# Altium PCB BE200.PcbDoc (part 4 of 6) (continued)
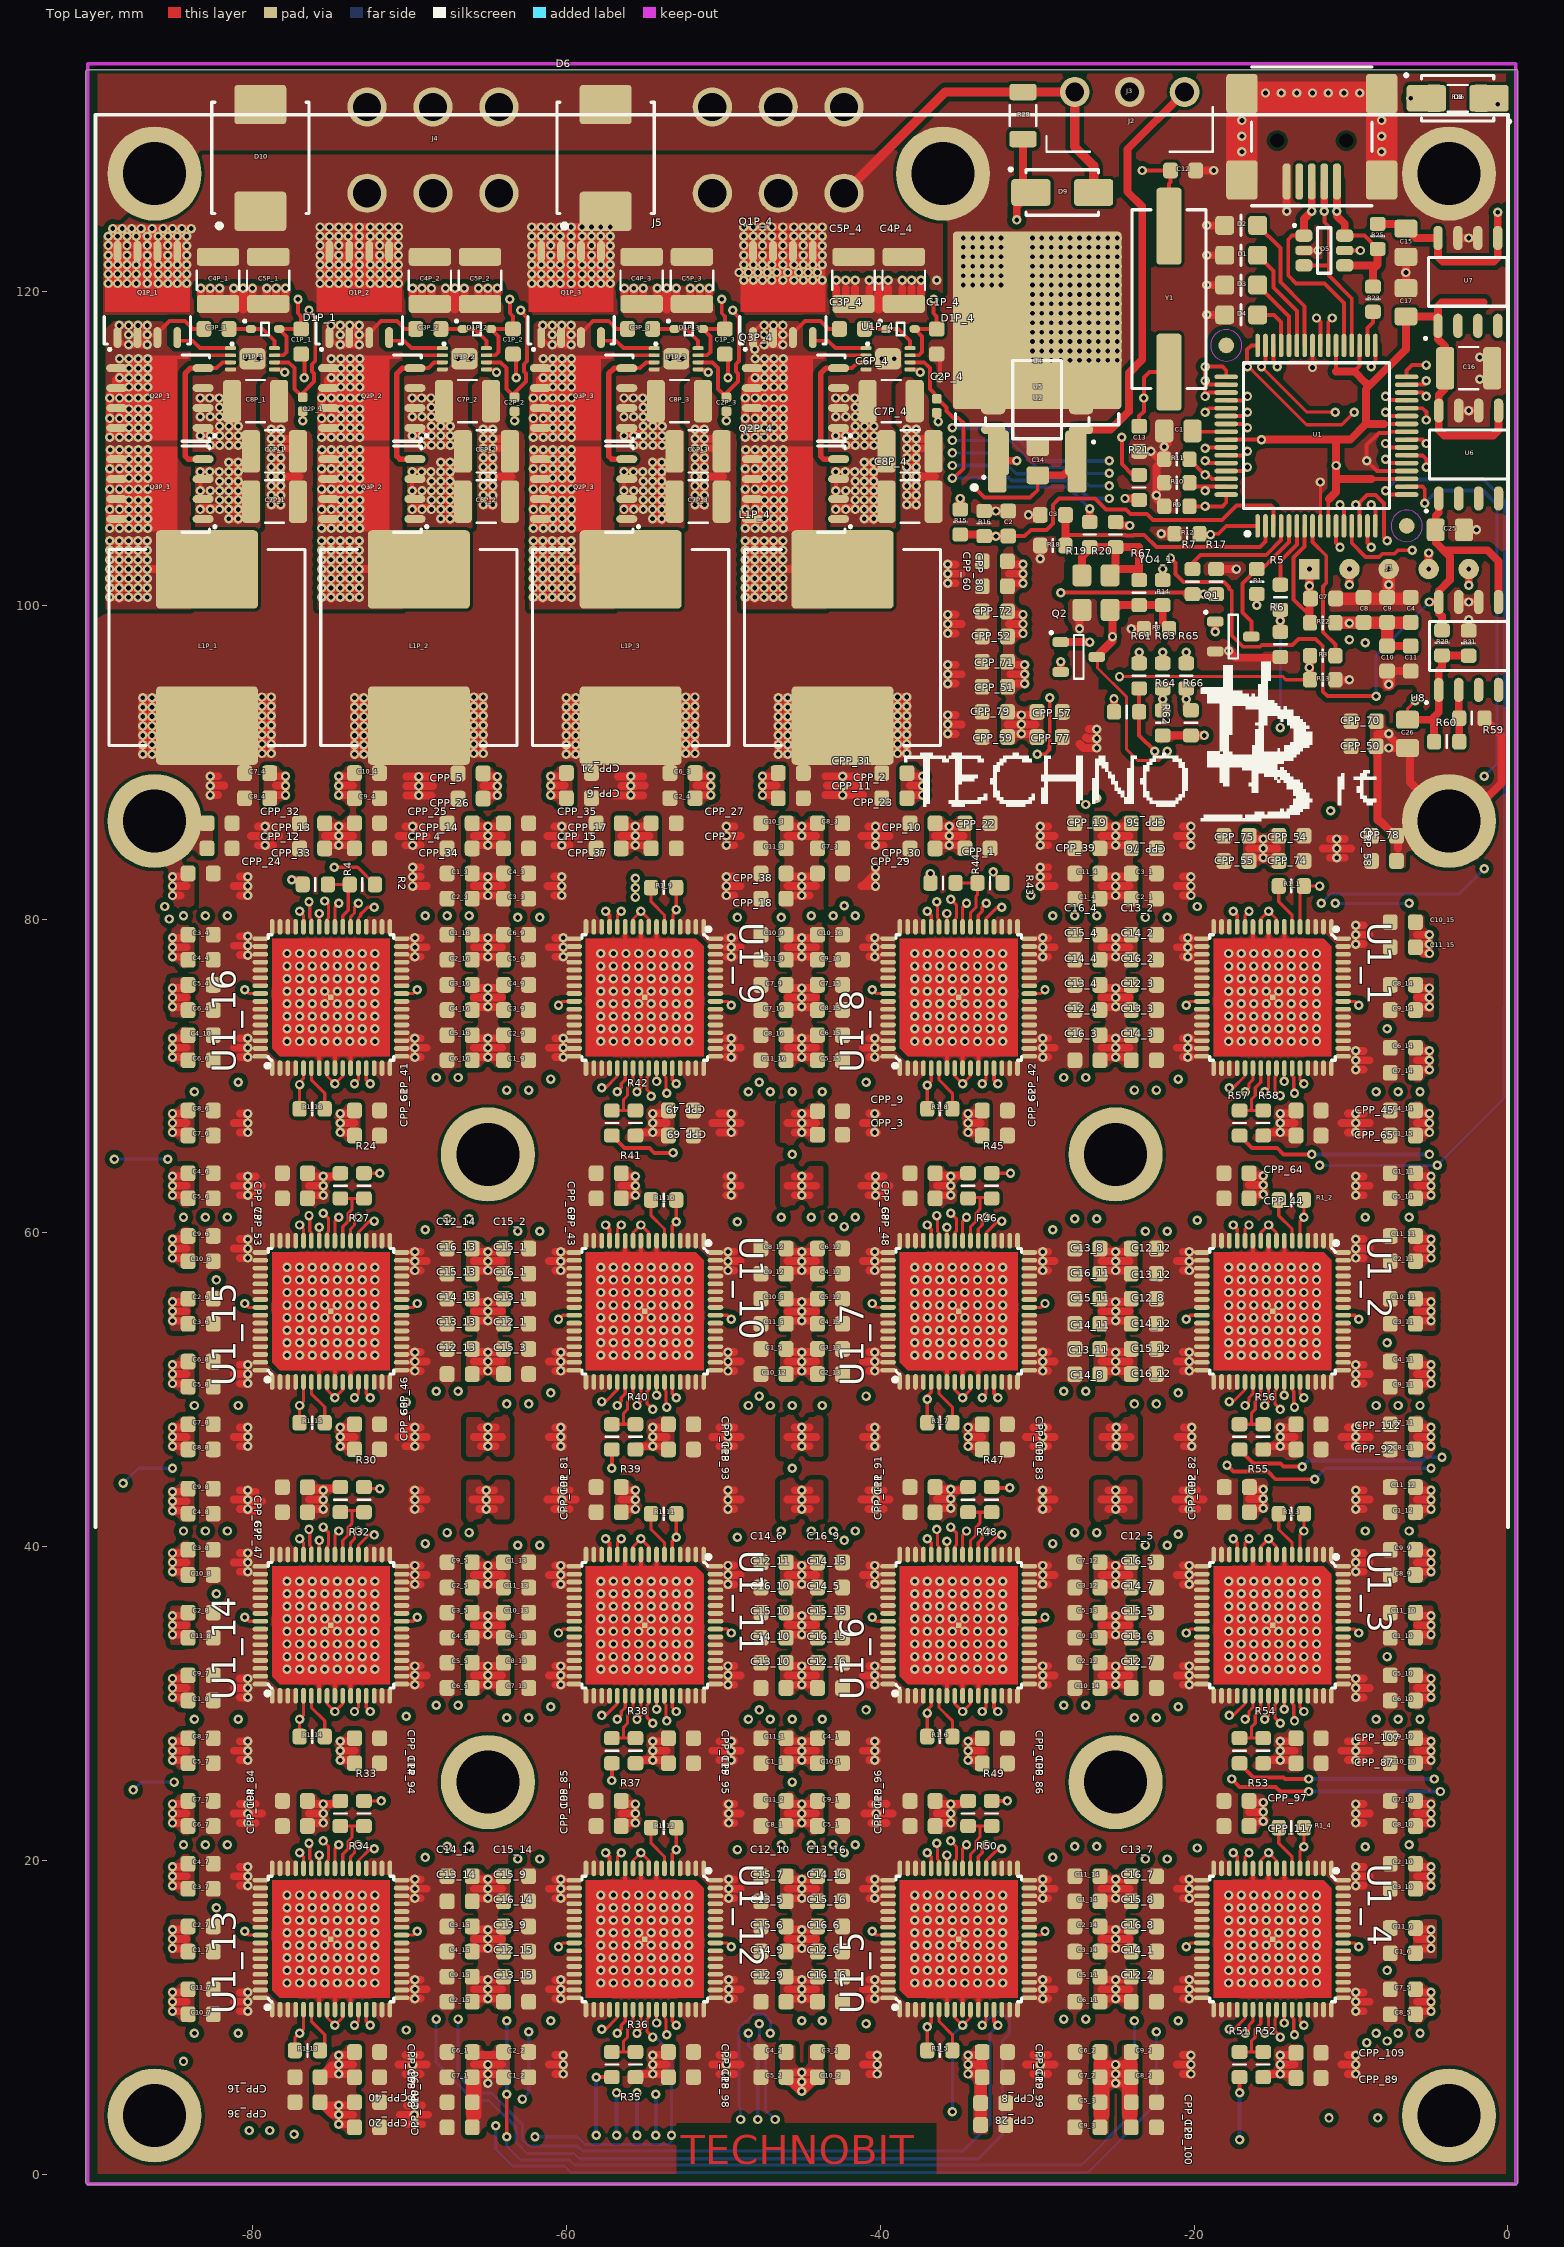
[diagram p0: Top Layer view]
## Nets (pads, with @x,y where several pads share a name; then routed paths per layer and width w, separated by ;. In a path a pad name is that pad's centre, name@x,y a point inside that pad or via, vN(x,y) a via of type N, cw(c..) or ccw(c..) an arc to the next point about the centre after c; other vN are vias at no path point) (continued)
  Top Layer w0.8: -33.6,3.8 -33.6,7 ; C7.2@-10.975,100.5 -10.975,100.4 C4.2@-6.2,100.4 ; C10.2@-7.7,95.8 -7.6,95.7 v1(-7.6,94.95) ; C9.2@-7.7,100.5 -7.6,100.6 v1(-7.6,102.3)
  Top Layer w1: C7_1.1@-66,6.2 -65.9,6.1 -65.9,3.8 ; -25.9,3.8 -25.9,7 ; -24.1,3.8 -24.1,7
  Top Layer w2: J2.6@-16.95,127.14 -16.95,132.375 -8.05,132.375 J2.9@-8.05,127.14
  other v1: -65,5.8 -45,5.9 -54.5,6.4 -14.5,6.4 -45,6.5 -65,11.2 -45,11.2 -25,11.2 -77.8,12.2 -77,12.2 -76.2,12.2 -75.4,12.2 -74.6,12.2 -73.8,12.2 -73,12.2 -72.2,12.2 -57.8,12.2 -57,12.2 -56.2,12.2 -55.4,12.2 -54.6,12.2 -53.8,12.2 -53,12.2 -52.2,12.2 -37.8,12.2 -37,12.2 -36.2,12.2 -35.4,12.2 -34.6,12.2 -33.8,12.2 -33,12.2 -32.2,12.2 -17.8,12.2 -17,12.2 -16.2,12.2 -15.4,12.2 -14.6,12.2 -13.8,12.2 -13,12.2 -12.2,12.2 -65,12.4 -45,12.4 -25,12.4 -77.8,13 -77,13 -76.2,13 -75.4,13 -74.6,13 -73.8,13 -73,13 -72.2,13 -57.8,13 -57,13 -56.2,13 -55.4,13 -54.6,13 -53.8,13 -53,13 -52.2,13 -37.8,13 -37,13 -36.2,13 -35.4,13 -34.6,13 -33.8,13 -33,13 -32.2,13 -17.8,13 -17,13 -16.2,13 -15.4,13 -14.6,13 -13.8,13 -13,13 -12.2,13 -77.8,13.8 -77,13.8 -76.2,13.8 -75.4,13.8 -74.6,13.8 -73.8,13.8 -73,13.8 -72.2,13.8 -57.8,13.8 -57,13.8 -56.2,13.8 -55.4,13.8 -54.6,13.8 -53.8,13.8 -53,13.8 -52.2,13.8 -37.8,13.8 -37,13.8 -36.2,13.8 -35.4,13.8 -34.6,13.8 -33.8,13.8 -33,13.8 -32.2,13.8 -17.8,13.8 -17,13.8 -16.2,13.8 -15.4,13.8 -14.6,13.8 -13.8,13.8 -13,13.8 -12.2,13.8 -65,14.4 -45,14.4 -25,14.4 -77.8,14.6 -77,14.6 -76.2,14.6 -75.4,14.6 -74.6,14.6 -73.8,14.6 -73,14.6 -72.2,14.6 -57.8,14.6 -57,14.6 -56.2,14.6 -55.4,14.6 -54.6,14.6 -53.8,14.6 -53,14.6 -52.2,14.6 -37.8,14.6 -37,14.6 -36.2,14.6 -35.4,14.6 -34.6,14.6 -33.8,14.6 -33,14.6 -32.2,14.6 -17.8,14.6 -17,14.6 -16.2,14.6 -15.4,14.6 -14.6,14.6 -13.8,14.6 -13,14.6 -12.2,14.6 -77.8,15.4 -77,15.4 -76.2,15.4 -75.4,15.4 -74.6,15.4 -73.8,15.4 -73,15.4 -72.2,15.4 -57.8,15.4 -57,15.4 -56.2,15.4 -55.4,15.4 -54.6,15.4 -53.8,15.4 -53,15.4 -52.2,15.4 -37.8,15.4 -37,15.4 -36.2,15.4 -35.4,15.4 -34.6,15.4 -33.8,15.4 -33,15.4 -32.2,15.4 -17.8,15.4 -17,15.4 -16.2,15.4 -15.4,15.4 -14.6,15.4 -13.8,15.4 -13,15.4 -12.2,15.4 -65,15.6 -45,15.6 -25,15.6 -77.8,16.2 -77,16.2 -76.2,16.2 -75.4,16.2 -74.6,16.2 -73.8,16.2 -73,16.2 -72.2,16.2 -57.8,16.2 -57,16.2 -56.2,16.2 -55.4,16.2 -54.6,16.2 -53.8,16.2 -53,16.2 -52.2,16.2 -37.8,16.2 -37,16.2 -36.2,16.2 -35.4,16.2 -34.6,16.2 -33.8,16.2 -33,16.2 -32.2,16.2 -17.8,16.2 -17,16.2 -16.2,16.2 -15.4,16.2 -14.6,16.2 -13.8,16.2 -13,16.2 -12.2,16.2 -77.8,17 -77,17 -76.2,17 -75.4,17 -74.6,17 -73.8,17 -73,17 -72.2,17 -57.8,17 -57,17 -56.2,17 -55.4,17 -54.6,17 -53.8,17 -53,17 -52.2,17 -37.8,17 -37,17 -36.2,17 -35.4,17 -34.6,17 -33.8,17 -33,17 -32.2,17 -17.8,17 -17,17 -16.2,17 -15.4,17 -14.6,17 -13.8,17 -13,17 -12.2,17 -65,17.6 -45,17.6 -25,17.6 -77.8,17.8 -77,17.8 -76.2,17.8 -75.4,17.8 -74.6,17.8 -73.8,17.8 -73,17.8 -72.2,17.8 -57.8,17.8 -57,17.8 -56.2,17.8 -55.4,17.8 -54.6,17.8 -53.8,17.8 -53,17.8 -52.2,17.8 -37.8,17.8 -37,17.8 -36.2,17.8 -35.4,17.8 -34.6,17.8 -33.8,17.8 -33,17.8 -32.2,17.8 -17.8,17.8 -17,17.8 -16.2,17.8 -15.4,17.8 -14.6,17.8 -13.8,17.8 -13,17.8 -12.2,17.8 -65,18.8 -45,18.8 -25,18.8 -45,22.4 -75.5,23.6 -45,23.6 -35.5,23.6 -45,26.4 -14.5,26.4 -45,27.6 -65,31.2 -45,31.2 -25,31.2 -77.8,32.2 -77,32.2 -76.2,32.2 -75.4,32.2 -74.6,32.2 -73.8,32.2 -73,32.2 -72.2,32.2 -57.8,32.2 -57,32.2 -56.2,32.2 -55.4,32.2 -54.6,32.2 -53.8,32.2 -53,32.2 -52.2,32.2 -37.8,32.2 -37,32.2 -36.2,32.2 -35.4,32.2 -34.6,32.2 -33.8,32.2 -33,32.2 -32.2,32.2 -17.8,32.2 -17,32.2 -16.2,32.2 -15.4,32.2 -14.6,32.2 -13.8,32.2 -13,32.2 -12.2,32.2 -65,32.4 -45,32.4 -25,32.4 -77.8,33 -77,33 -76.2,33 -75.4,33 -74.6,33 -73.8,33 -73,33 -72.2,33 -57.8,33 -57,33 -56.2,33 -55.4,33 -54.6,33 -53.8,33 -53,33 -52.2,33 -37.8,33 -37,33 -36.2,33 -35.4,33 -34.6,33 -33.8,33 -33,33 -32.2,33 -17.8,33 -17,33 -16.2,33 -15.4,33 -14.6,33 -13.8,33 -13,33 -12.2,33 -77.8,33.8 -77,33.8 -76.2,33.8 -75.4,33.8 -74.6,33.8 -73.8,33.8 -73,33.8 -72.2,33.8 -57.8,33.8 -57,33.8 -56.2,33.8 -55.4,33.8 -54.6,33.8 -53.8,33.8 -53,33.8 -52.2,33.8 -37.8,33.8 -37,33.8 -36.2,33.8 -35.4,33.8 -34.6,33.8 -33.8,33.8 -33,33.8 -32.2,33.8 -17.8,33.8 -17,33.8 -16.2,33.8 -15.4,33.8 -14.6,33.8 -13.8,33.8 -13,33.8 -12.2,33.8 -65,34.4 -45,34.4 -25,34.4 -77.8,34.6 -77,34.6 -76.2,34.6 -75.4,34.6 -74.6,34.6 -73.8,34.6 -73,34.6 -72.2,34.6 -57.8,34.6 -57,34.6 -56.2,34.6 -55.4,34.6 -54.6,34.6 -53.8,34.6 -53,34.6 -52.2,34.6 -37.8,34.6 -37,34.6 -36.2,34.6 -35.4,34.6 -34.6,34.6 -33.8,34.6 -33,34.6 -32.2,34.6 -17.8,34.6 -17,34.6 -16.2,34.6 -15.4,34.6 -14.6,34.6 -13.8,34.6 -13,34.6 -12.2,34.6 -77.8,35.4 -77,35.4 -76.2,35.4 -75.4,35.4 -74.6,35.4 -73.8,35.4 -73,35.4 -72.2,35.4 -57.8,35.4 -57,35.4 -56.2,35.4 -55.4,35.4 -54.6,35.4 -53.8,35.4 -53,35.4 -52.2,35.4 -37.8,35.4 -37,35.4 -36.2,35.4 -35.4,35.4 -34.6,35.4 -33.8,35.4 -33,35.4 -32.2,35.4 -17.8,35.4 -17,35.4 -16.2,35.4 -15.4,35.4 -14.6,35.4 -13.8,35.4 -13,35.4 -12.2,35.4 -65,35.6 -45,35.6 -25,35.6 -77.8,36.2 -77,36.2 -76.2,36.2 -75.4,36.2 -74.6,36.2 -73.8,36.2 -73,36.2 -72.2,36.2 -57.8,36.2 -57,36.2 -56.2,36.2 -55.4,36.2 -54.6,36.2 -53.8,36.2 -53,36.2 -52.2,36.2 -37.8,36.2 -37,36.2 -36.2,36.2 -35.4,36.2 -34.6,36.2 -33.8,36.2 -33,36.2 -32.2,36.2 -17.8,36.2 -17,36.2 -16.2,36.2 -15.4,36.2 -14.6,36.2 -13.8,36.2 -13,36.2 -12.2,36.2 -77.8,37 -77,37 -76.2,37 -75.4,37 -74.6,37 -73.8,37 -73,37 -72.2,37 -57.8,37 -57,37 -56.2,37 -55.4,37 -54.6,37 -53.8,37 -53,37 -52.2,37 -37.8,37 -37,37 -36.2,37 -35.4,37 -34.6,37 -33.8,37 -33,37 -32.2,37 -17.8,37 -17,37 -16.2,37 -15.4,37 -14.6,37 -13.8,37 -13,37 -12.2,37 -65,37.6 -45,37.6 -25,37.6 -77.8,37.8 -77,37.8 -76.2,37.8 -75.4,37.8 -74.6,37.8 -73.8,37.8 -73,37.8 -72.2,37.8 -57.8,37.8 -57,37.8 -56.2,37.8 -55.4,37.8 -54.6,37.8 -53.8,37.8 -53,37.8 -52.2,37.8 -37.8,37.8 -37,37.8 -36.2,37.8 -35.4,37.8 -34.6,37.8 -33.8,37.8 -33,37.8 -32.2,37.8 -17.8,37.8 -17,37.8 -16.2,37.8 -15.4,37.8 -14.6,37.8 -13.8,37.8 -13,37.8 -12.2,37.8 -65,38.8 -45,38.8 -25,38.8 -54.5,46.4 -14.5,46.4 -65,51.2 -45,51.2 -25,51.2 -77.8,52.2 -77,52.2 -76.2,52.2 -75.4,52.2 -74.6,52.2 -73.8,52.2 -73,52.2 -72.2,52.2 -57.8,52.2 -57,52.2 -56.2,52.2 -55.4,52.2 -54.6,52.2 -53.8,52.2 -53,52.2 -52.2,52.2 -37.8,52.2 -37,52.2 -36.2,52.2 -35.4,52.2 -34.6,52.2 -33.8,52.2 -33,52.2 -32.2,52.2 -17.8,52.2 -17,52.2 -16.2,52.2 -15.4,52.2 -14.6,52.2 -13.8,52.2 -13,52.2 -12.2,52.2 -65,52.4 -45,52.4 -25,52.4 -77.8,53 -77,53 -76.2,53 -75.4,53 -74.6,53 -73.8,53 -73,53 -72.2,53 -57.8,53 -57,53 -56.2,53 -55.4,53 -54.6,53 -53.8,53 -53,53 -52.2,53 -37.8,53 -37,53 -36.2,53 -35.4,53 -34.6,53 -33.8,53 -33,53 -32.2,53 -17.8,53 -17,53 -16.2,53 -15.4,53 -14.6,53 -13.8,53 -13,53 -12.2,53 -77.8,53.8 -77,53.8 -76.2,53.8 -75.4,53.8 -74.6,53.8 -73.8,53.8 -73,53.8 -72.2,53.8 -57.8,53.8 -57,53.8 -56.2,53.8 -55.4,53.8 -54.6,53.8 -53.8,53.8 -53,53.8 -52.2,53.8 -37.8,53.8 -37,53.8 -36.2,53.8 -35.4,53.8 -34.6,53.8 -33.8,53.8 -33,53.8 -32.2,53.8 -17.8,53.8 -17,53.8 -16.2,53.8 -15.4,53.8 -14.6,53.8 -13.8,53.8 -13,53.8 -12.2,53.8 -65,54.4 -45,54.4 -25,54.4 -77.8,54.6 -77,54.6 -76.2,54.6 -75.4,54.6 -74.6,54.6 -73.8,54.6 -73,54.6 -72.2,54.6 -57.8,54.6 -57,54.6 -56.2,54.6 -55.4,54.6 -54.6,54.6 -53.8,54.6 -53,54.6 -52.2,54.6 -37.8,54.6 -37,54.6 -36.2,54.6 -35.4,54.6 -34.6,54.6 -33.8,54.6 -33,54.6 -32.2,54.6 -17.8,54.6 -17,54.6 -16.2,54.6 -15.4,54.6 -14.6,54.6 -13.8,54.6 -13,54.6 -12.2,54.6 -77.8,55.4 -77,55.4 -76.2,55.4 -75.4,55.4 -74.6,55.4 -73.8,55.4 -73,55.4 -72.2,55.4 -57.8,55.4 -57,55.4 -56.2,55.4 -55.4,55.4 -54.6,55.4 -53.8,55.4 -53,55.4 -52.2,55.4 -37.8,55.4 -37,55.4 -36.2,55.4 -35.4,55.4 -34.6,55.4 -33.8,55.4 -33,55.4 -32.2,55.4 -17.8,55.4 -17,55.4 -16.2,55.4 -15.4,55.4 -14.6,55.4 -13.8,55.4 -13,55.4 -12.2,55.4 -65,55.6 -45,55.6 -25,55.6 -77.8,56.2 -77,56.2 -76.2,56.2 -75.4,56.2 -74.6,56.2 -73.8,56.2 -73,56.2 -72.2,56.2 -57.8,56.2 -57,56.2 -56.2,56.2 -55.4,56.2 -54.6,56.2 -53.8,56.2 -53,56.2 -52.2,56.2 -37.8,56.2 -37,56.2 -36.2,56.2 -35.4,56.2 -34.6,56.2 -33.8,56.2 -33,56.2 -32.2,56.2 -17.8,56.2 -17,56.2 -16.2,56.2 -15.4,56.2 -14.6,56.2 -13.8,56.2 -13,56.2 -12.2,56.2 -77.8,57 -77,57 -76.2,57 -75.4,57 -74.6,57 -73.8,57 -73,57 -72.2,57 -57.8,57 -57,57 -56.2,57 -55.4,57 -54.6,57 -53.8,57 -53,57 -52.2,57 -37.8,57 -37,57 -36.2,57 -35.4,57 -34.6,57 -33.8,57 -33,57 -32.2,57 -17.8,57 -17,57 -16.2,57 -15.4,57 -14.6,57 -13.8,57 -13,57 -12.2,57 -65,57.6 -45,57.6 -25,57.6 -77.8,57.8 -77,57.8 -76.2,57.8 -75.4,57.8 -74.6,57.8 -73.8,57.8 -73,57.8 -72.2,57.8 -57.8,57.8 -57,57.8 -56.2,57.8 -55.4,57.8 -54.6,57.8 -53.8,57.8 -53,57.8 -52.2,57.8 -37.8,57.8 -37,57.8 -36.2,57.8 -35.4,57.8 -34.6,57.8 -33.8,57.8 -33,57.8 -32.2,57.8 -17.8,57.8 -17,57.8 -16.2,57.8 -15.4,57.8 -14.6,57.8 -13.8,57.8 -13,57.8 -12.2,57.8 -65,58.8 -45,58.8 -25,58.8 -54.5,66.4 -45,66.4 -34.4,66.4 -14.5,66.4 -34.4,67 -45,67.6 -34.4,67.6 -65,71.2 -45,71.2 -25,71.2 -77.8,72.2 -77,72.2 -76.2,72.2 -75.4,72.2 -74.6,72.2 -73.8,72.2 -73,72.2 -72.2,72.2 -57.8,72.2 -57,72.2 -56.2,72.2 -55.4,72.2 -54.6,72.2 -53.8,72.2 -53,72.2 -52.2,72.2 -37.8,72.2 -37,72.2 -36.2,72.2 -35.4,72.2 -34.6,72.2 -33.8,72.2 -33,72.2 -32.2,72.2 -17.8,72.2 -17,72.2 -16.2,72.2 -15.4,72.2 -14.6,72.2 -13.8,72.2 -13,72.2 -12.2,72.2 -65,72.4 -45,72.4 -25,72.4 -77.8,73 -77,73 -76.2,73 -75.4,73 -74.6,73 -73.8,73 -73,73 -72.2,73 -57.8,73 -57,73 -56.2,73 -55.4,73 -54.6,73 -53.8,73 -53,73 -52.2,73 -37.8,73 -37,73 -36.2,73 -35.4,73 -34.6,73 -33.8,73 -33,73 -32.2,73 -17.8,73 -17,73 -16.2,73 -15.4,73 -14.6,73 -13.8,73 -13,73 -12.2,73 -77.8,73.8 -77,73.8 -76.2,73.8 -75.4,73.8 -74.6,73.8 -73.8,73.8 -73,73.8 -72.2,73.8 -57.8,73.8 -57,73.8 -56.2,73.8 -55.4,73.8 -54.6,73.8 -53.8,73.8 -53,73.8 -52.2,73.8 -37.8,73.8 -37,73.8 -36.2,73.8 -35.4,73.8 -34.6,73.8 -33.8,73.8 -33,73.8 -32.2,73.8 -17.8,73.8 -17,73.8 -16.2,73.8 -15.4,73.8 -14.6,73.8 -13.8,73.8 -13,73.8 -12.2,73.8 -65,74.4 -45,74.4 -25,74.4 -77.8,74.6 -77,74.6 -76.2,74.6 -75.4,74.6 -74.6,74.6 -73.8,74.6 -73,74.6 -72.2,74.6 -57.8,74.6 -57,74.6 -56.2,74.6 -55.4,74.6 -54.6,74.6 -53.8,74.6 -53,74.6 -52.2,74.6 -37.8,74.6 -37,74.6 -36.2,74.6 -35.4,74.6 -34.6,74.6 -33.8,74.6 -33,74.6 -32.2,74.6 -17.8,74.6 -17,74.6 -16.2,74.6 -15.4,74.6 -14.6,74.6 -13.8,74.6 -13,74.6 -12.2,74.6 -77.8,75.4 -77,75.4 -76.2,75.4 -75.4,75.4 -74.6,75.4 -73.8,75.4 -73,75.4 -72.2,75.4 -57.8,75.4 -57,75.4 -56.2,75.4 -55.4,75.4 -54.6,75.4 -53.8,75.4 -53,75.4 -52.2,75.4 -37.8,75.4 -37,75.4 -36.2,75.4 -35.4,75.4 -34.6,75.4 -33.8,75.4 -33,75.4 -32.2,75.4 -17.8,75.4 -17,75.4 -16.2,75.4 -15.4,75.4 -14.6,75.4 -13.8,75.4 -13,75.4 -12.2,75.4 -65,75.6 -45,75.6 -25,75.6 -77.8,76.2 -77,76.2 -76.2,76.2 -75.4,76.2 -74.6,76.2 -73.8,76.2 -73,76.2 -72.2,76.2 -57.8,76.2 -57,76.2 -56.2,76.2 -55.4,76.2 -54.6,76.2 -53.8,76.2 -53,76.2 -52.2,76.2 -37.8,76.2 -37,76.2 -36.2,76.2 -35.4,76.2 -34.6,76.2 -33.8,76.2 -33,76.2 -32.2,76.2 -17.8,76.2 -17,76.2 -16.2,76.2 -15.4,76.2 -14.6,76.2 -13.8,76.2 -13,76.2 -12.2,76.2 -77.8,77 -77,77 -76.2,77 -75.4,77 -74.6,77 -73.8,77 -73,77 -72.2,77 -57.8,77 -57,77 -56.2,77 -55.4,77 -54.6,77 -53.8,77 -53,77 -52.2,77 -37.8,77 -37,77 -36.2,77 -35.4,77 -34.6,77 -33.8,77 -33,77 -32.2,77 -17.8,77 -17,77 -16.2,77 -15.4,77 -14.6,77 -13.8,77 -13,77 -12.2,77 -65,77.6 -45,77.6 -25,77.6 -77.8,77.8 -77,77.8 -76.2,77.8 -75.4,77.8 -74.6,77.8 -73.8,77.8 -73,77.8 -72.2,77.8 -57.8,77.8 -57,77.8 -56.2,77.8 -55.4,77.8 -54.6,77.8 -53.8,77.8 -53,77.8 -52.2,77.8 -37.8,77.8 -37,77.8 -36.2,77.8 -35.4,77.8 -34.6,77.8 -33.8,77.8 -33,77.8 -32.2,77.8 -17.8,77.8 -17,77.8 -16.2,77.8 -15.4,77.8 -14.6,77.8 -13.8,77.8 -13,77.8 -12.2,77.8 -65,78.8 -45,78.8 -25,78.8 -55.6,81.4 -64.999,81.5 -45,81.5 -25,81.5 -55.6,82 -77.5,82.5 -55.6,82.6 -64.999,82.7 -45,82.7 -25,82.7 -36.8,82.9 -15.6,83.9 -74.501,84.7 -65,84.7 -55.6,84.7 -25,84.7 -15.6,85.1 -74.501,85.9 -65,85.9 -55.6,85.9 -45,85.9 -35.6,85.9 -25,85.9 -37.3,87.9 -37.3,88.5 -37.3,89.1 -7.6,90.9 -31,91.8 -7.6,91.8 -31,93 -7.6,101.3 -83.325,106.1 -82.7,106.1 -82.1,106.1 -69.825,106.1 -69.2,106.1 -68.6,106.1 -56.325,106.1 -55.7,106.1 -55.1,106.1 -42.825,106.1 -42.2,106.1 -41.6,106.1 -82.1,106.7 -68.6,106.7 -55.1,106.7 -41.6,106.7 -22.4,107 -82.7,107.3 -82.1,107.3 -80.913,107.3 -69.2,107.3 -68.6,107.3 -67.413,107.3 -55.7,107.3 -55.1,107.3 -53.913,107.3 -42.2,107.3 -41.6,107.3 -40.413,107.3 -82.1,107.9 -68.6,107.9 -55.1,107.9 -41.6,107.9 -83.325,108.5 -82.725,108.5 -82.125,108.5 -69.825,108.5 -69.225,108.5 -68.625,108.5 -56.325,108.5 -55.725,108.5 -55.125,108.5 -42.825,108.5 -42.225,108.5 -41.625,108.5 -83.325,110.8 -82.7,110.8 -82.1,110.8 -69.825,110.8 -69.2,110.8 -68.6,110.8 -56.325,110.8 -55.7,110.8 -55.1,110.8 -42.825,110.8 -42.2,110.8 -41.6,110.8 -82.1,111.4 -68.6,111.4 -55.1,111.4 -41.6,111.4 -82.7,112 -82.1,112 -69.2,112 -68.6,112 -55.7,112 -55.1,112 -42.2,112 -41.6,112 -2.5,112.4 -82.1,112.6 -68.6,112.6 -55.1,112.6 -41.6,112.6 -83.325,113.2 -82.725,113.2 -82.125,113.2 -69.825,113.2 -69.225,113.2 -68.625,113.2 -56.325,113.2 -55.725,113.2 -55.125,113.2 -42.825,113.2 -42.225,113.2 -41.625,113.2 -29.7,115.6 -29.1,115.6 -28.5,115.6 -27.9,115.6 -26.7,115.6 -26.1,115.6 -25.5,115.6 -24.9,115.6 -29.7,116.2 -29.1,116.2 -28.5,116.2 -27.9,116.2 -26.7,116.2 -26.1,116.2 -25.5,116.2 -24.9,116.2 -29.7,116.8 -29.1,116.8 -28.5,116.8 -27.9,116.8 -26.7,116.8 -26.1,116.8 -25.5,116.8 -24.9,116.8 -29.7,117.4 -29.1,117.4 -28.5,117.4 -27.9,117.4 -26.7,117.4 -26.1,117.4 -25.5,117.4 -24.9,117.4 -29.7,118 -29.1,118 -28.5,118 -27.9,118 -26.7,118 -26.1,118 -25.5,118 -24.9,118 -29.7,118.6 -29.1,118.6 -28.5,118.6 -27.9,118.6 -26.7,118.6 -26.1,118.6 -25.5,118.6 -24.9,118.6 -29.1,119.2 -28.5,119.2 -27.9,119.2 -26.1,119.2 -25.5,119.2 -24.9,119.2 -29.7,119.8 -29.1,119.8 -28.5,119.8 -27.9,119.8 -26.7,119.8 -26.1,119.8 -25.5,119.8 -24.9,119.8 -34.1,120.4 -33.5,120.4 -32.9,120.4 -32.3,120.4 -29.7,120.4 -29.1,120.4 -28.5,120.4 -27.9,120.4 -26.7,120.4 -26.1,120.4 -25.5,120.4 -24.9,120.4 -42.8,120.7 -42.2,120.7 -41.6,120.7 -40.7,120.7 -40.1,120.7 -39.5,120.7 -38.6,120.7 -38,120.7 -37.4,120.7 -34.1,121 -33.5,121 -32.9,121 -32.3,121 -29.7,121 -29.1,121 -28.5,121 -27.9,121 -26.7,121 -26.1,121 -25.5,121 -24.9,121 -34.1,121.6 -33.5,121.6 -32.9,121.6 -32.3,121.6 -29.7,121.6 -29.1,121.6 -28.5,121.6 -27.9,121.6 -26.7,121.6 -26.1,121.6 -25.5,121.6 -24.9,121.6 -34.1,122.2 -33.5,122.2 -32.9,122.2 -32.3,122.2 -29.7,122.2 -29.1,122.2 -28.5,122.2 -27.9,122.2 -26.7,122.2 -26.1,122.2 -25.5,122.2 -24.9,122.2 -34.1,122.8 -33.5,122.8 -32.9,122.8 -32.3,122.8 -29.7,122.8 -29.1,122.8 -28.5,122.8 -27.9,122.8 -26.7,122.8 -26.1,122.8 -25.5,122.8 -24.9,122.8 -33.5,123.4 -32.9,123.4 -32.3,123.4 -29.1,123.4 -28.5,123.4 -27.9,123.4 -26.1,123.4 -25.5,123.4 -24.9,123.4 -14.1,125.1 -16.95,128.89 -8.05,128.89 -16.95,129.89 -8.05,129.89 -16.95,130.89 -8.05,130.89 -15.45,132.64 -14.45,132.64 -13.45,132.64 -12.45,132.64 -11.45,132.64 -10.45,132.64 -9.45,132.64
  other v2: -80.4,115.7 -79.6,115.7 -66.9,115.7 -66.1,115.7 -53.4,115.7 -52.6,115.7 -39.9,115.7 -39.1,115.7
GREEN: D2.2 U1.42 | length 8.9
  Top Layer w0.25: D2.2@-15.95,124.2 -14.5,122.75 -14.5,120.6 -12.95,119.05 U1.42@-12.95,116.55
HARD_ONE: R63.1 R64.2 U1_1.44 U1_2.44 U1_3.44 U1_4.44 U1_5.44 U1_6.44 U1_7.44 U1_8.44 U1_9.44 U1_10.44 U1_11.44 U1_12.44 U1_13.44 U1_14.44 U1_15.44 U1_16.44 | length 516.8
  Top Layer w0.2: v1(-77,20.5) -76.75,20.25 U1_13.44@-76.75,19.5 ; v1(-77,40.5) -76.75,40.25 U1_14.44@-76.75,39.5 ; v1(-77,60.5) -76.75,60.25 U1_15.44@-76.75,59.5 ; v1(-77,80.5) -76.75,80.25 U1_16.44@-76.75,79.5 ; U1_12.44@-53.25,10.5 -53.25,9.75 v1(-53,9.5) ; U1_11.44@-53.25,30.5 -53.25,29.75 v1(-53,29.5) ; U1_10.44@-53.25,50.5 -53.25,49.75 v1(-53,49.5) ; U1_9.44@-53.25,70.5 -53.25,69.75 v1(-53,69.5) ; v1(-37,20.5) -36.75,20.25 U1_5.44@-36.75,19.5 ; v1(-37,40.5) -36.75,40.25 U1_6.44@-36.75,39.5 ; v1(-37,60.5) -36.75,60.25 U1_7.44@-36.75,59.5 ; v1(-37,80.5) -36.75,80.25 U1_8.44@-36.75,79.5 ; U1_4.44@-13.25,10.5 -13.25,9.75 v1(-13,9.5) ; U1_3.44@-13.25,30.5 -13.25,29.75 v1(-13,29.5) ; U1_2.44@-13.25,50.5 -13.25,49.75 v1(-13,49.5) ; U1_1.44@-13.25,70.5 -13.25,69.75 v1(-13,69.5)
  Top Layer w0.5: R64.2@-22,93.3 R63.1@-22,94.7
  Mid-Top Layer w0.2: v1(-81.6,80.2) v1(-81.6,61) v1(-81.6,41) v1(-81.6,21) -81.6,5.5 v1(-78.9,2.8) ; v1(-47.8,3.5) -47.2,2.9 -18.569,2.9 -17.669,3.8 -16.331,3.8 -15.056,2.525 -10.941,2.525 -8.4,5.066 v1(-8.4,9) v1(-8.4,29) v1(-8.4,49) v1(-8.4,69) -8.4,81.8 -9.3,82.7 -9.3,86.1 -16,92.8 -20.8,92.8 v1(-22,94) ; -48.4,8.625 v1(-48.4,9) v1(-48.4,29) v1(-48.4,49) v1(-48.4,69) -48.4,82.5 -46.8,84.1 -43.3,84.1 -41.6,82.4 v1(-41.6,80.2) v1(-41.6,61) v1(-41.6,41) v1(-41.6,21) -41.6,9.5 -43.4,7.7 -47.475,7.7 -48.4,8.625
  Mid-Bottom Layer w0.2: v1(-81.6,21) -81.2,20.6 -78.5,20.6 -78.3,20.4 v1@-77,20.4 ; v1(-81.6,41) -81.2,40.6 -78.5,40.6 -78.3,40.4 v1@-77,40.4 ; v1(-81.6,61) -81.2,60.6 -78.5,60.6 -78.3,60.4 v1@-77,60.4 ; v1(-81.6,80.2) -79.1,80.2 -78.8,80.5 v1(-77,80.5) ; v1(-78.9,2.8) -76.7,0.6 -61.666,0.6 -58.766,3.5 -52.534,3.5 -51.434,2.4 -48.9,2.4 v1(-47.8,3.5) ; v1@-53,9.6 -51.7,9.6 -51.5,9.4 -48.8,9.4 v1(-48.4,9) ; v1@-53,29.6 -51.7,29.6 -51.5,29.4 -48.8,29.4 v1(-48.4,29) ; v1@-53,49.6 -51.7,49.6 -51.5,49.4 -48.8,49.4 v1(-48.4,49) ; v1@-53,69.6 -51.7,69.6 -51.5,69.4 -48.8,69.4 v1(-48.4,69) ; v1(-41.6,21) -41.2,20.6 -38.5,20.6 -38.3,20.4 v1@-37,20.4 ; v1(-41.6,41) -41.2,40.6 -38.5,40.6 -38.3,40.4 v1@-37,40.4 ; v1(-41.6,61) -41.2,60.6 -38.5,60.6 -38.3,60.4 v1@-37,60.4 ; v1(-41.6,80.2) -41.2,80.6 -37.2,80.6 v1@-37,80.4 ; v1@-13,9.6 -12.4,9 v1(-8.4,9) ; v1@-13,29.6 -11.7,29.6 -11.5,29.4 -8.8,29.4 v1(-8.4,29) ; v1@-13,49.6 -11.7,49.6 -11.5,49.4 -8.8,49.4 v1(-8.4,49) ; v1@-13,69.6 -11.7,69.6 -11.5,69.4 -8.8,69.4 v1(-8.4,69)
  Bottom Layer w0.2: v1(-48.4,9) -48.4,8.2 -47.8,7.6 v1(-47.8,3.5)
HARD_ONE_MCU: R63.2 U1.54 | length 20.1
  Top Layer w0.25: U1.54@-17.95,112.05 -16.85,112.05
  Top Layer w0.5: R63.2@-22,96.3 v1(-22,97)
  Mid-Top Layer w0.2: v1(-22,97) -22,99.334 -20.75,100.584 -20.75,101.114 -19.764,102.1 -19.234,102.1 -17,104.334 -17,107.3 -17.6,107.9 -17.6,111.3 v1(-16.6,112.3)